# Altium PCB PCB_CAR.PcbDoc (part 2 of 3) (continued)
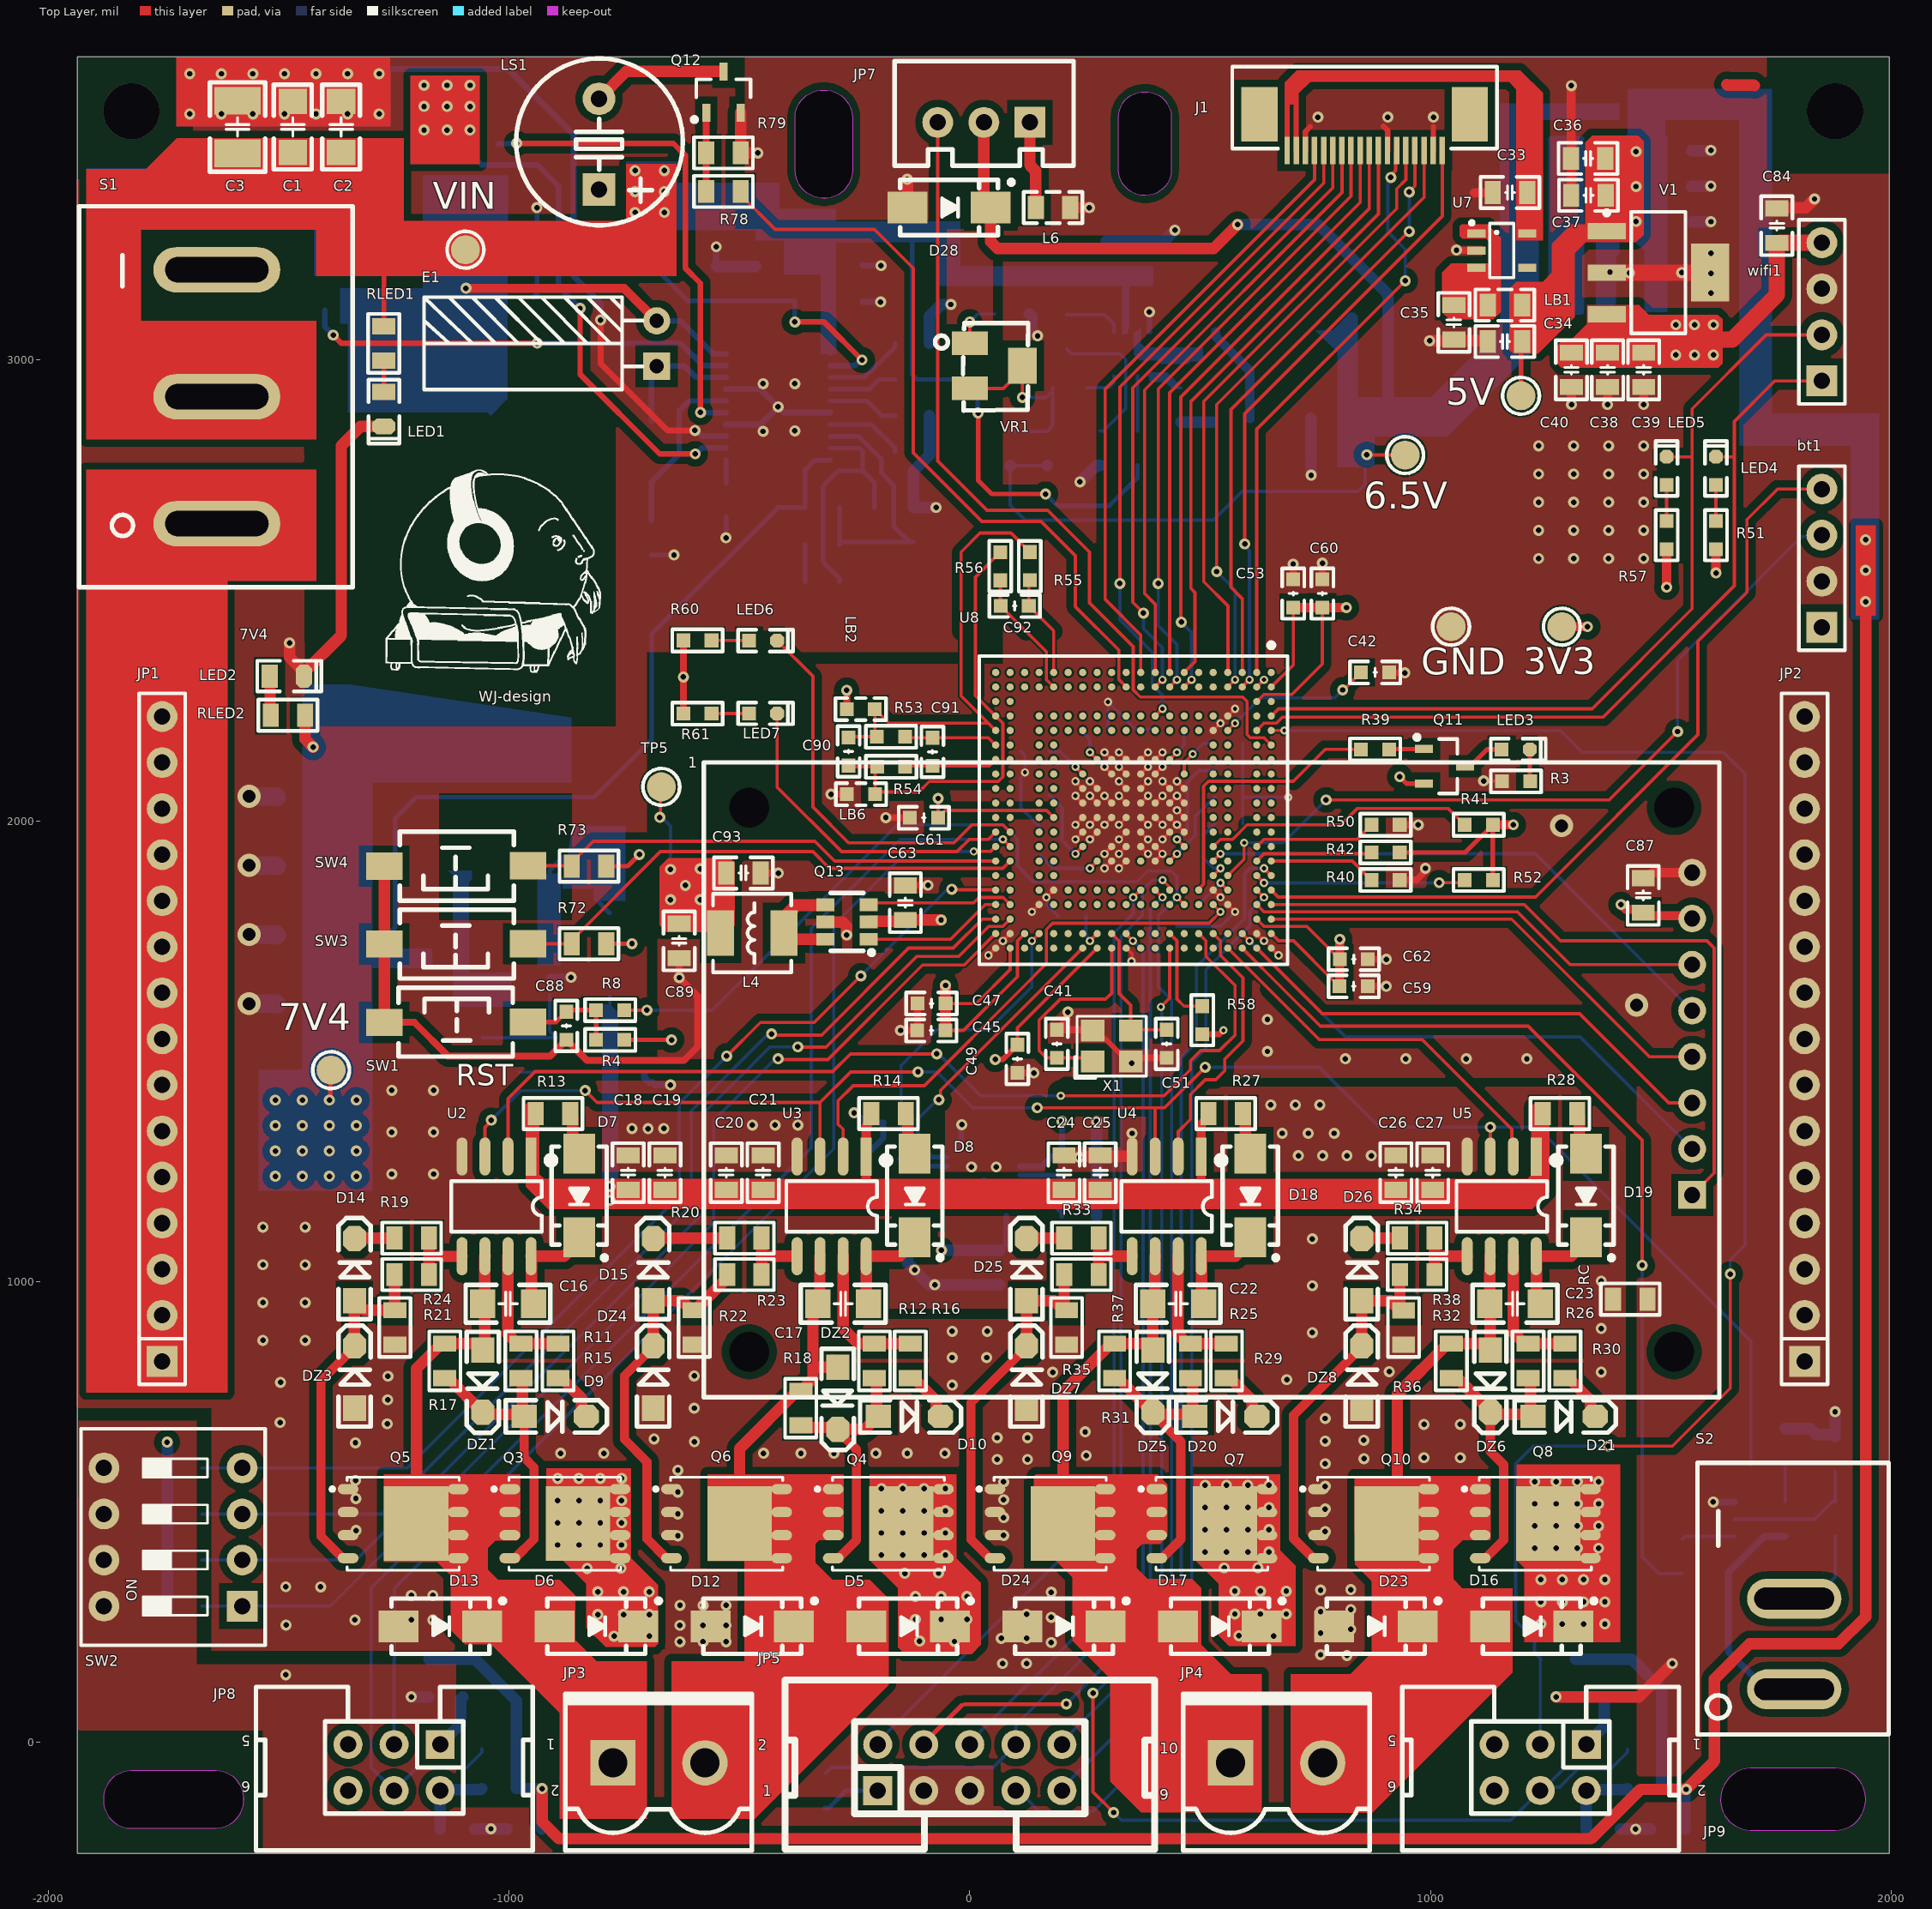
[diagram p0: Top Layer view]
## Nets (pads, with @x,y where several pads share a name; then routed paths per layer and width w, separated by ;. In a path a pad name is that pad's centre, name@x,y a point inside that pad or via, vN(x,y) a via of type N, cw(c..) or ccw(c..) an arc to the next point about the centre after c; other vN are vias at no path point) (continued)
NetC23_2: C23.2 D19.2 U5.8 | length 474.1
  Top Layer w25: U5.8@1229.97,1054.56 U5.8@1230.66,1053.87 ; U5.8@1229.97,1054.56 D19.2@1305.69,1054.56 ; U5.8@1229.97,1054.56 D19.2@1305.69,1054.56 ; U5.8@1229.97,1054.56 U5.8@1230.66,1053.87 ; C23.2@1230.66,959.54 C23.2@1238.77,951.42 C23.2@1230.66,959.54 ; C23.2@1230.66,959.54 U5.8@1230.66,1053.87 ; C23.2@1230.66,959.54 U5.8@1230.66,1053.87 ; D19.2@1305.69,1054.56 D19.2@1338,1086.87 ; D19.2@1305.69,1054.56 D19.2@1338,1086.87 ; D19.2@1338,1086.87 D19.2@1338,1095.73 D19.2@1338,1086.87
NetC30_2: C30.2 IC1.3 R43.2 R44.1 | length 259.7
  Bottom Layer w7: R44.1@-1057.44,1529.04 R43.2@-977.39,1529.03 C30.2@-898.33,1529.03 ; IC1.3@-912.33,1622.8 -912.33,1543.03 C30.2@-898.33,1529.03 ; C30.2@-897.33,1529.03 C30.2@-898.33,1529.03
NetC32_1: C32.1 IC1.4 IC1.5 L2.2 L3.2 | length 197.8
  Bottom Layer w10: L3.2@-1105.08,1696.98 -1105.04,1696.94 C32.1@-1105.04,1620.2 -1102.44,1622.8 IC1.4@-1022.56,1622.8 IC1.5@-1022.56,1660.2
NetC41_1: C41.1 U8.M20 X1.1 | length 471.3
  Top Layer w7: X1.1@266.67,1477.41 259,1485.08 C41.1@189,1485.08 166.68,1485.08 150.53,1501.23 150.53,1566.99 196.35,1612.81 294.88,1612.81 308.01,1625.94 U8.M20@308.01,1723.54
NetC51_1: C51.1 U8.M19 X1.3 | length 306.8
  Top Layer w7: U8.M19@308.01,1755.04 324.21,1738.84 324.21,1729.99 324.13,1729.91 324.13,1721.1 324.21,1721.02 324.21,1625.04 349.35,1599.91 X1.3@349.35,1544.34 351.27,1546.26 C51.1@427.42,1546.26
NetC64_2: C64.2 R71.2 RF1.1 VR1.2 VR1.3 | length 745.8
  Top Layer w7: 72.75,2938.54 VR1.3@-0.09,2938.54 72.75,2938.54 ; 72.75,2938.54 VR1.2@114.08,2979.87 ; 72.75,2938.54 VR1.2@114.08,2979.87 ; VR1.2@114.08,2979.87 VR1.2@114.08,2987.75 ; VR1.2@114.08,2979.87 VR1.2@114.08,2987.75 ; VR1.2@114.08,2987.75 VR1.2@114.13,2987.7 ; VR1.2@114.08,2987.75 VR1.2@114.13,2987.7 ; VR1.2@114.13,2987.7 v1(114.13,2919.04) VR1.2@114.13,2987.7
  Bottom Layer w7: C64.2@87.52,2845.4 167.37,2845.4 RF1.1@168.38,2846.4 179.65,2857.67 R71.2@179.65,2933.04 ; R71.2@165.65,2919.04 R71.2@179.65,2933.04 ; R71.2@165.65,2919.04 v1(114.13,2919.04) R71.2@165.65,2919.04 ; R71.2@165.65,2919.04 R71.2@179.65,2933.04 ; R71.2@179.65,2933.04 R71.2@179.65,2940.42 R71.2@179.65,2933.04
NetC65_1: C65.1 R70.2 U10.7 | length 492.2
  Bottom Layer w7: C65.1@282.66,2846.4 290.16,2846.4 338.38,2894.62 U10.7@338.38,2966.01 ; R70.2@220.61,3013.89 325.84,3013.89 ; R70.2@220.61,3013.89 R70.2@210.52,3023.97 R70.2@220.61,3013.89 ; R70.2@220.61,3013.89 325.84,3013.89 ; 325.84,3013.89 338.38,3001.35 ; 325.84,3013.89 338.38,3001.35 ; U10.7@338.38,2966.01 338.38,3001.35 ; U10.7@338.38,2966.01 338.38,3001.35
NetC68_1: C68.1 R75.2 | length 156.1
  Bottom Layer w7: C68.1@525.98,2865.31 C68.1@533.38,2872.71 C68.1@525.98,2865.31
  Bottom Layer w25: R75.2@458.38,2865.31 525.98,2865.31 R75.2@458.38,2865.31
NetC68_2: C68.2 L5.2 U10.3 | length 439.3
  Bottom Layer w20: L5.2@533.38,3051.53 L5.2@533.38,3061.37 L5.2@533.38,3051.53 ; L5.2@533.38,3051.53 608.18,2976.73 ; L5.2@533.38,3051.53 608.18,2976.73 ; 608.18,2976.73 C68.2@608.18,2872.71 608.18,2976.73
NetC71_1: C71.1 U11.20 | length 87.7
  Bottom Layer w10: C71.1@-135,1187.4 -131.24,1191.16 U11.20@-48.84,1191.16
NetC74_2: C74.2 U11.10 | length 124.7
  Bottom Layer w10: U11.10@108.65,1210.85 108.84,1210.65 137.91,1210.65 200,1148.56 C74.2@200,1141.06
NetC76_2: C76.2 JP8.2 LB3.1 | length 352.7
  Bottom Layer w25: JP8.2@-1150,-105.45 JP8.2@-1147.77,-103.22 ; JP8.2@-1150,-105.45 JP8.2@-1149.93,-105.52 ; JP8.2@-1150,-105.45 JP8.2@-1149.93,-105.52 ; JP8.2@-1150,-105.45 JP8.2@-1147.77,-103.22 ; C76.2@-1149.93,-189.23 C76.2@-1149.86,-189.3 C76.2@-1149.93,-189.23 ; C76.2@-1149.93,-189.23 JP8.2@-1149.93,-105.52 ; C76.2@-1149.93,-189.23 JP8.2@-1149.93,-105.52 ; JP8.2@-1147.77,-103.22 LB3.1@-1061.63,-103.22 ; JP8.2@-1147.77,-103.22 LB3.1@-1061.63,-103.22 ; LB3.1@-1061.63,-103.22 LB3.1@-1059.4,-101 LB3.1@-1061.63,-103.22
NetC79_2: C79.2 C80.2 LB4.2 V2.1 | length 294
  Bottom Layer w7: V2.1@1290,3175.08 1300,3185.08 LB4.2@1300,3464.91
NetC85_2: C85.2 JP9.2 LB5.1 | length 349.8
  Bottom Layer w25: C85.2@1338.36,-189.08 JP9.2@1338.36,-105.67 ; C85.2@1338.36,-189.08 C85.2@1338.14,-189.3 C85.2@1338.36,-189.08 ; C85.2@1338.36,-189.08 JP9.2@1338.36,-105.67 ; JP9.2@1338.36,-105.67 JP9.2@1338.58,-105.45 ; JP9.2@1338.36,-105.67 JP9.2@1338.58,-105.45 ; JP9.2@1338.58,-105.45 JP9.2@1340.81,-103.22 ; JP9.2@1338.58,-105.45 JP9.2@1340.81,-103.22 ; JP9.2@1340.81,-103.22 LB5.1@1425.37,-103.22 ; JP9.2@1340.81,-103.22 LB5.1@1425.37,-103.22 ; LB5.1@1425.37,-103.22 LB5.1@1427.6,-101 LB5.1@1425.37,-103.22
NetC88_2: C88.2 R4.1 R8.1 SW1.2 | length 222.7
  Top Layer w10: SW1.2@-959,1563 -898.48,1563 C88.2@-876.15,1585.33 -872.69,1588.79 R8.1@-811.47,1588.79 R4.1@-811.47,1524.31
NetCIN1_2: CIN1.2 D1.1 R2.1 R5.2 U1.2 | length 1199.9
  Top Layer w12: -316.51,3082.93 v1(-234,3000.43) -316.51,3082.93 ; -316.51,3082.93 v1(-380.04,3082.93) -316.51,3082.93
  Bottom Layer w10: v1@-380.03,3085.5 R2.1@-380.03,3128.88 ; D1.1@-670.03,3186.68 -612.24,3128.89 ; D1.1@-670.03,3186.68 D1.1@-670.03,3195.54 D1.1@-670.03,3186.68 ; D1.1@-670.03,3186.68 -612.24,3128.89 ; -612.24,3128.89 CIN1.2@-550.03,3128.89 ; -612.24,3128.89 CIN1.2@-550.03,3128.89 ; CIN1.2@-550.03,3128.89 R2.1@-380.03,3128.88 ; CIN1.2@-550.03,3128.89 R2.1@-380.03,3128.88
  Bottom Layer w12: -248.7,2988.3 U1.2@-303.19,2988.3 -248.7,2988.3 ; -248.7,2988.3 -234,3003 -248.7,2988.3
NetD3_2: D3.2 E1.1 U1.18 | length 568.5
  Bottom Layer w12: E1.1@-691.15,2975.96 D3.2@-691.15,2868.12 E1.1@-691.15,2975.96 ; E1.1@-691.15,2975.96 E1.1@-680.03,2987.08 ; E1.1@-691.15,2975.96 E1.1@-680.03,2987.08 ; E1.1@-680.03,2987.08 -619.17,2987.08 ; E1.1@-680.03,2987.08 -619.17,2987.08 ; -619.17,2987.08 -594.8,2962.71 ; -619.17,2987.08 -594.8,2962.71 ; -594.8,2962.71 U1.18@-529.43,2962.71 -594.8,2962.71
NetD7_1: D7.1 R13.2 | length 95.6
  Top Layer w25: R13.2@-867.6,1364.5 -862.6,1359.5 -862.6,1291.05 D7.1@-848.38,1276.83
NetD8_1: D8.1 R14.2 | length 95.8
  Top Layer w25: R14.2@-139.15,1364.5 -134.15,1359.5 -134.15,1291.39 D8.1@-119.59,1276.83
NetD9_1: D9.1 DZ1.2 Q3.4 R11.2 R17.2 | length 1266.8
  Top Layer w20: Q3.4@-987.54,399 -946,440.54 ; Q3.4@-987.54,399 Q3.4@-998.83,399 Q3.4@-987.54,399 ; Q3.4@-987.54,399 -946,440.54 ; -967.7,617.72 D9.1@-967.7,706.73 -967.7,617.72 ; -967.7,617.72 -946,596.02 ; -967.7,617.72 -946,596.02 ; -946,440.54 -946,596.02 ; -946,440.54 -946,596.02
  Top Layer w25: R17.2@-1132.53,790.12 DZ1.2@-1057.93,715.52 ; R17.2@-1132.53,790.12 R17.2@-1140.03,790.12 R17.2@-1132.53,790.12 ; R17.2@-1132.53,790.12 DZ1.2@-1057.93,715.52 ; DZ1.2@-1057.93,715.52 DZ1.2@-1057.5,715.52 ; DZ1.2@-1057.93,715.52 DZ1.2@-1057.5,715.52 ; DZ1.2@-1057.5,715.52 DZ1.2@-1053.11,711.13 ; DZ1.2@-1057.5,715.52 DZ1.2@-1053.11,711.13 ; DZ1.2@-1053.11,711.13 D9.1@-972.09,711.13 ; DZ1.2@-1053.11,711.13 D9.1@-972.09,711.13 ; D9.1@-972.09,711.13 D9.1@-971.24,710.27 ; D9.1@-972.09,711.13 D9.1@-971.24,710.27 ; D9.1@-971.24,710.27 R11.2@-971.24,786.58 ; D9.1@-971.24,710.27 D9.1@-967.7,706.73 D9.1@-971.24,710.27 ; D9.1@-971.24,710.27 R11.2@-971.24,786.58 ; R11.2@-971.24,786.58 R11.2@-974.78,790.12 R11.2@-971.24,786.58
NetD9_2: D9.2 R15.2 | length 226.5
  Top Layer w25: R15.2@-886.67,790.12 R15.2@-894.17,790.12 R15.2@-886.67,790.12 ; R15.2@-886.67,790.12 -842.52,745.98 ; R15.2@-886.67,790.12 -842.52,745.98 ; D9.2@-842.52,716.56 D9.2@-832.7,706.73 D9.2@-842.52,716.56 ; D9.2@-842.52,716.56 -842.52,745.98 ; D9.2@-842.52,716.56 -842.52,745.98
NetD10_1: D10.1 DZ2.2 Q4.4 R12.2 R18.2 | length 1191.8
  Top Layer w20: DZ2.2@-286.92,675.92 DZ2.2@-286.92,678.42 DZ2.2@-286.92,675.92 ; DZ2.2@-286.92,675.92 -245.92,634.92 ; DZ2.2@-286.92,675.92 -245.92,634.92 ; Q4.4@-285.19,399 -245.92,438.27 ; Q4.4@-285.19,399 Q4.4@-296.48,399 Q4.4@-285.19,399 ; Q4.4@-285.19,399 -245.92,438.27 ; -245.92,438.27 -245.92,634.92 ; -245.92,438.27 -245.92,634.92
  Top Layer w25: R18.2@-362.57,682.89 R18.2@-367.04,687.36 R18.2@-362.57,682.89 ; R18.2@-362.57,682.89 DZ2.2@-291.39,682.89 ; R18.2@-362.57,682.89 DZ2.2@-291.39,682.89 ; DZ2.2@-291.39,682.89 DZ2.2@-286.92,678.42 ; DZ2.2@-291.39,682.89 DZ2.2@-286.92,678.42 ; DZ2.2@-286.92,678.42 -227.94,678.42 ; DZ2.2@-286.92,678.42 -227.94,678.42 ; -227.94,678.42 D10.1@-213.3,693.06 ; -227.94,678.42 D10.1@-213.3,693.06 ; D10.1@-213.3,693.06 D10.1@-213.3,694.23 ; D10.1@-213.3,693.06 D10.1@-213.3,694.23 ; D10.1@-213.3,694.23 D10.1@-200.8,706.73 ; D10.1@-213.3,694.23 D10.1@-200.8,706.73 ; D10.1@-202.76,711.19 R12.2@-202.76,785.67 ; D10.1@-202.76,711.19 D10.1@-198.3,706.73 ; D10.1@-202.76,711.19 D10.1@-198.3,706.73 ; D10.1@-202.76,711.19 R12.2@-202.76,785.67 ; R12.2@-202.76,785.67 R12.2@-207.21,790.12 R12.2@-202.76,785.67 ; D10.1@-200.8,706.73 D10.1@-198.3,706.73 ; D10.1@-200.8,706.73 D10.1@-198.3,706.73
NetD10_2: D10.2 R16.2 | length 230.5
  Top Layer w25: R16.2@-122.07,790.12 R16.2@-129.57,790.12 R16.2@-122.07,790.12 ; R16.2@-122.07,790.12 -73.12,741.18 ; R16.2@-122.07,790.12 -73.12,741.18 ; D10.2@-73.12,716.56 D10.2@-63.3,706.73 D10.2@-73.12,716.56 ; D10.2@-73.12,716.56 -73.12,741.18 ; D10.2@-73.12,716.56 -73.12,741.18
NetD14_1: D14.1 DZ3.2 Q5.4 R21.2 R24.2 | length 1585.7
  Top Layer w20: -1409,446.71 -1409,784.28 ; -1409,446.71 Q5.4@-1361.29,399 ; -1409,446.71 Q5.4@-1361.29,399 ; -1409,446.71 -1409,784.28 ; -1409,784.28 DZ3.2@-1336.03,857.25 ; -1409,784.28 DZ3.2@-1336.03,857.25 ; Q5.4@-1361.29,399 Q5.4@-1350,399 Q5.4@-1361.29,399 ; DZ3.2@-1336.03,857.25 DZ3.2@-1336.03,859.75 DZ3.2@-1336.03,857.25
  Top Layer w25: D14.1@-1336.03,955.52 D14.1@-1323.53,943.02 ; D14.1@-1336.03,955.52 DZ3.2@-1336.03,859.75 D14.1@-1336.03,955.52 ; D14.1@-1336.03,955.52 D14.1@-1336.03,958.02 D14.1@-1336.03,955.52 ; D14.1@-1336.03,955.52 D14.1@-1323.53,943.02 ; D14.1@-1323.53,943.02 D14.1@-1321.03,943.02 ; D14.1@-1323.53,943.02 D14.1@-1321.03,943.02 ; D14.1@-1321.03,943.02 D14.1@-1315.41,937.4 ; D14.1@-1321.03,943.02 D14.1@-1315.41,937.4 ; D14.1@-1315.41,937.4 R21.2@-1248.44,937.4 ; D14.1@-1315.41,937.4 R21.2@-1248.44,937.4 ; R21.2@-1248.79,937.75 R24.2@-1248.79,1014.23 ; R21.2@-1248.79,937.75 R21.2@-1248.44,937.4 ; R21.2@-1248.79,937.75 R21.2@-1248.44,937.4 ; R21.2@-1248.79,937.75 R24.2@-1248.79,1014.23 ; R24.2@-1248.79,1014.23 R24.2@-1249.14,1014.58 R24.2@-1248.79,1014.23
NetD14_2: D14.2 R19.2 | length 174.6
  Top Layer w25: D14.2@-1335.54,1093.52 R19.2@-1249.63,1093.52 ; D14.2@-1335.54,1093.52 D14.2@-1336.03,1093.02 D14.2@-1335.54,1093.52 ; D14.2@-1335.54,1093.52 R19.2@-1249.63,1093.52 ; R19.2@-1249.63,1093.52 R19.2@-1249.14,1094.01 R19.2@-1249.63,1093.52
NetD15_1: D15.1 DZ4.2 Q6.4 R22.2 R23.2 | length 1687
  Top Layer w20: -750,657 -750,794.8 ; -750,657 -701,608 ; -750,657 -701,608 ; -750,657 -750,794.8 ; -750,794.8 DZ4.2@-687.54,857.25 ; -750,794.8 DZ4.2@-687.54,857.25 ; -701,441.06 -701,608 ; -701,441.06 Q6.4@-658.94,399 ; -701,441.06 Q6.4@-658.94,399 ; -701,441.06 -701,608 ; DZ4.2@-687.54,857.25 DZ4.2@-687.54,859.75 DZ4.2@-687.54,857.25 ; Q6.4@-658.94,399 Q6.4@-647.66,399 Q6.4@-658.94,399
  Top Layer w25: D15.1@-687.54,958.02 -625.5,958.02 ; D15.1@-687.54,958.02 DZ4.2@-687.54,859.75 D15.1@-687.54,958.02 ; D15.1@-687.54,958.02 -625.5,958.02 ; -625.5,958.02 R22.2@-610.85,943.38 ; -625.5,958.02 R22.2@-610.85,943.38 ; R22.2@-610.85,942.33 R22.2@-605.85,937.33 ; R22.2@-610.85,942.33 R22.2@-610.85,943.38 ; R22.2@-610.85,942.33 R22.2@-610.85,943.38 ; R22.2@-610.85,942.33 R22.2@-605.85,937.33 ; R22.2@-605.85,937.33 R22.2@-598.35,937.33 ; R22.2@-605.85,937.33 R22.2@-598.35,937.33 ; R22.2@-598.35,937.33 R22.2@-590.85,937.33 ; R22.2@-598.35,937.33 R22.2@-590.85,937.33 ; R22.2@-590.85,937.33 R22.2@-585.85,942.33 ; R22.2@-590.85,937.33 R22.2@-585.85,942.33 ; R22.2@-585.85,942.33 R22.2@-585.85,948.15 ; R22.2@-585.85,942.33 R22.2@-585.85,948.15 ; R22.2@-585.85,948.15 R23.2@-526.92,1007.08 ; R22.2@-585.85,948.15 R23.2@-526.92,1007.08 ; R23.2@-526.92,1007.08 R23.2@-526.92,1014.58 R23.2@-526.92,1007.08
NetD15_2: D15.2 R20.2 | length 322.1
  Top Layer w25: D15.2@-687.05,1093.52 R20.2@-527.41,1093.52 ; D15.2@-687.05,1093.52 D15.2@-687.54,1093.02 D15.2@-687.05,1093.52 ; D15.2@-687.05,1093.52 R20.2@-527.41,1093.52 ; R20.2@-527.41,1093.52 R20.2@-526.92,1094.01 R20.2@-527.41,1093.52
NetD18_1: D18.1 R27.2 | length 94.3
  Top Layer w25: R27.2@593.13,1364.5 598.13,1359.5 598.13,1287.91 D18.1@609.21,1276.83
NetD19_1: D19.1 R28.2 | length 95.6
  Top Layer w25: R28.2@1318.76,1364.5 1323.76,1359.5 1323.76,1291.08 D19.1@1338,1276.83
NetD20_1: D20.1 DZ5.2 Q7.4 R25.2 R31.2 | length 1318.6
  Top Layer w20: DZ5.2@397.32,713.02 DZ5.2@397.32,715.52 DZ5.2@397.32,713.02 ; DZ5.2@397.32,713.02 458.21,652.14 ; DZ5.2@397.32,713.02 458.21,652.14 ; Q7.4@417.15,399 Q7.4@405.86,399 Q7.4@417.15,399 ; Q7.4@417.15,399 458.21,440.05 ; Q7.4@417.15,399 458.21,440.05 ; 458.21,440.05 458.21,652.14 ; 458.21,440.05 458.21,652.14
  Top Layer w25: R31.2@321.88,790.12 R31.2@314.38,790.12 R31.2@321.88,790.12 ; R31.2@321.88,790.12 DZ5.2@396.48,715.52 ; R31.2@321.88,790.12 DZ5.2@396.48,715.52 ; DZ5.2@396.48,715.52 DZ5.2@397.32,715.52 ; DZ5.2@396.48,715.52 DZ5.2@397.32,715.52 ; DZ5.2@397.32,715.52 DZ5.2@401.71,711.13 ; DZ5.2@397.32,715.52 DZ5.2@401.71,711.13 ; DZ5.2@401.71,711.13 D20.1@483.73,711.13 ; DZ5.2@401.71,711.13 D20.1@483.73,711.13 ; D20.1@483.52,711.33 R25.2@483.52,785.52 ; D20.1@483.52,711.33 D20.1@483.73,711.13 ; D20.1@483.52,711.33 D20.1@483.73,711.13 ; D20.1@483.52,711.33 R25.2@483.52,785.52 ; R25.2@483.52,785.52 R25.2@478.93,790.12 R25.2@483.52,785.52 ; D20.1@483.73,711.13 D20.1@488.12,706.73 D20.1@483.73,711.13
NetD20_2: D20.2 R29.2 | length 230.3
  Top Layer w25: R29.2@564.6,790.12 R29.2@557.1,790.12 R29.2@564.6,790.12 ; R29.2@564.6,790.12 613.3,741.42 ; R29.2@564.6,790.12 613.3,741.42 ; D20.2@613.3,716.56 D20.2@623.12,706.73 D20.2@613.3,716.56 ; D20.2@613.3,716.56 613.3,741.42 ; D20.2@613.3,716.56 613.3,741.42
NetD21_1: D21.1 DZ6.2 Q8.4 R26.2 R32.2 | length 1302.6
  Top Layer w20: Q8.4@1119.5,399 Q8.4@1108.21,399 Q8.4@1119.5,399 ; Q8.4@1119.5,399 1159,438.5 ; Q8.4@1119.5,399 1159,438.5 ; 1130.42,630.58 1159,602 ; 1130.42,630.58 DZ6.2@1130.42,715.52 1130.42,630.58 ; 1130.42,630.58 1159,602 ; 1159,438.5 1159,602 ; 1159,438.5 1159,602
  Top Layer w25: R32.2@1050.32,785.12 R32.2@1045.32,790.12 R32.2@1050.32,785.12 ; R32.2@1050.32,785.12 R32.2@1063.32,785.12 ; R32.2@1050.32,785.12 R32.2@1063.32,785.12 ; R32.2@1063.32,785.12 DZ6.2@1130.42,718.02 ; R32.2@1063.32,785.12 DZ6.2@1130.42,718.02 ; DZ6.2@1130.42,715.52 DZ6.2@1134.81,711.13 ; DZ6.2@1130.42,715.52 DZ6.2@1130.42,718.02 ; DZ6.2@1130.42,715.52 DZ6.2@1130.42,718.02 ; DZ6.2@1130.42,715.52 DZ6.2@1134.81,711.13 ; DZ6.2@1134.81,711.13 D21.1@1218.35,711.13 ; DZ6.2@1134.81,711.13 D21.1@1218.35,711.13 ; R26.2@1212.36,790.12 R26.2@1217.36,785.12 ; R26.2@1212.36,790.12 R26.2@1211.97,790.12 R26.2@1212.36,790.12 ; R26.2@1212.36,790.12 R26.2@1217.36,785.12 ; D21.1@1217.36,712.12 R26.2@1217.36,785.12 ; D21.1@1217.36,712.12 D21.1@1218.35,711.13 ; D21.1@1217.36,712.12 D21.1@1218.35,711.13 ; D21.1@1217.36,712.12 R26.2@1217.36,785.12 ; D21.1@1218.35,711.13 D21.1@1222.74,706.73 D21.1@1218.35,711.13
NetD21_2: D21.2 R30.2 | length 229.8
  Top Layer w25: R30.2@1299.8,790.12 R30.2@1292.3,790.12 R30.2@1299.8,790.12 ; R30.2@1299.8,790.12 1347.92,742.01 ; R30.2@1299.8,790.12 1347.92,742.01 ; D21.2@1347.92,716.56 1347.92,742.01 ; D21.2@1347.92,716.56 D21.2@1357.74,706.73 D21.2@1347.92,716.56 ; D21.2@1347.92,716.56 1347.92,742.01
NetD25_1: D25.1 DZ7.2 Q9.4 R35.2 R37.2 | length 1624.7
  Top Layer w20: 2.55,439.85 2.55,736.59 ; 2.55,439.85 Q9.4@43.4,399 ; 2.55,439.85 Q9.4@43.4,399 ; 2.55,439.85 2.55,736.59 ; 2.55,736.59 DZ7.2@123.21,857.25 ; 2.55,736.59 DZ7.2@123.21,857.25 ; Q9.4@43.4,399 Q9.4@54.69,399 Q9.4@43.4,399 ; DZ7.2@123.21,857.25 DZ7.2@123.21,859.75 DZ7.2@123.21,857.25
  Top Layer w25: D25.1@123.21,958.02 182.86,958.02 ; D25.1@123.21,958.02 DZ7.2@123.21,859.75 D25.1@123.21,958.02 ; D25.1@123.21,958.02 182.86,958.02 ; 182.86,958.02 R35.2@197.5,943.38 ; 182.86,958.02 R35.2@197.5,943.38 ; R35.2@197.5,942.4 R35.2@202.5,937.4 ; R35.2@197.5,942.4 R35.2@197.5,943.38 ; R35.2@197.5,942.4 R35.2@197.5,943.38 ; R35.2@197.5,942.4 R35.2@202.5,937.4 ; R35.2@202.5,937.4 R35.2@209.9,937.4 ; R35.2@202.5,937.4 R35.2@209.9,937.4 ; R35.2@204.9,942.4 R35.2@209.9,937.4 ; R35.2@204.9,942.4 R37.2@204.9,1014.58 R35.2@204.9,942.4 ; R35.2@204.9,942.4 R35.2@209.9,937.4 ; R35.2@209.9,937.4 R35.2@210,937.4 R35.2@209.9,937.4
NetD25_2: D25.2 R33.2 | length 164.2
  Top Layer w25: D25.2@123.7,1093.52 R33.2@204.4,1093.52 ; D25.2@123.7,1093.52 D25.2@123.21,1093.02 D25.2@123.7,1093.52 ; D25.2@123.7,1093.52 R33.2@204.4,1093.52 ; R33.2@204.4,1093.52 R33.2@204.9,1094.01 R33.2@204.4,1093.52
NetD26_1: D26.1 DZ8.2 Q10.4 R36.2 R38.2 | length 1656.2
  Top Layer w20: 703,441.74 703,709.25 ; 703,441.74 Q10.4@745.74,399 ; 703,441.74 Q10.4@745.74,399 ; 703,441.74 703,709.25 ; 703,709.25 DZ8.2@851,857.25 ; 703,709.25 DZ8.2@851,857.25 ; Q10.4@745.74,399 Q10.4@757.03,399 Q10.4@745.74,399 ; DZ8.2@851,857.25 DZ8.2@851,859.75 DZ8.2@851,857.25
  Top Layer w25: D26.1@851,958.02 DZ8.2@851,859.75 D26.1@851,958.02 ; D26.1@851,958.02 913.5,958.02 ; D26.1@851,958.02 913.5,958.02 ; 913.5,958.02 R36.2@929.09,942.43 ; 913.5,958.02 R36.2@929.09,942.43 ; R36.2@929.09,942.21 R36.2@934.09,937.21 ; R36.2@929.09,942.21 R36.2@929.09,942.43 ; R36.2@929.09,942.21 R36.2@929.09,942.43 ; R36.2@929.09,942.21 R36.2@934.09,937.21 ; R36.2@933.85,942.21 R38.2@933.85,1014.58 R36.2@933.85,942.21 ; R36.2@933.85,942.21 R36.2@938.85,937.21 ; R36.2@933.85,942.21 R36.2@938.85,937.21 ; R36.2@934.09,937.21 R36.2@938.85,937.21 ; R36.2@934.09,937.21 R36.2@938.85,937.21 ; R36.2@938.85,937.21 R36.2@941.59,937.21 R36.2@938.85,937.21
NetD26_2: D26.2 R34.2 | length 166.5
  Top Layer w25: D26.2@851.49,1093.52 D26.2@851,1093.02 D26.2@851.49,1093.52 ; D26.2@851.49,1093.52 R34.2@933.36,1093.52 ; D26.2@851.49,1093.52 R34.2@933.36,1093.52 ; R34.2@933.36,1093.52 R34.2@933.85,1094.01 R34.2@933.36,1093.52
NetD27_1: D27.1 IC1.1 L2.1 | length 287.9
  Bottom Layer w10: IC1.1@-912.33,1697.6 -912.33,1891.75 L2.1@-882.44,1921.63 L2.1@-882.44,1911.79 ; D27.1@-811.89,1829.65 D27.1@-782.44,1800.2
NetJP7_1: JP7.1 L6.2 | length 190.3
  Top Layer w25: JP7.1@130.39,3516.29 130.39,3423.5 143.28,3410.62 L6.2@143.28,3331.3
NetJP8_1: JP8.1 L7.2 | length 247.8
  Bottom Layer w25: -1105.6,38.95 JP8.1@-1150,-5.45 -1105.6,38.95 ; -1105.6,38.95 L7.2@-1105.6,93 ; -1105.6,38.95 L7.2@-1105.6,93 ; L7.2@-1105.6,93 L7.2@-1100.6,98 L7.2@-1105.6,93
NetJP9_1: JP9.1 L8.2 | length 239.1
  Bottom Layer w25: 1377.4,33.37 L8.2@1377.4,98 1377.4,33.37 ; 1377.4,33.37 JP9.1@1338.58,-5.45 1377.4,33.37
NetL4_1: L4.1 Q13.4 Q13.6 | length 95.2
  Top Layer w25: L4.1@-403.55,1756.23 -390.16,1742.83 Q13.6@-313.88,1742.83
NetLED1_1: LED1.1 RLED1.1 | length 68
  Top Layer w10: LED1.1@-1272.28,2930.96 RLED1.1@-1272.29,2998.94
NetLED2_1: LED2.1 RLED2.1 | length 172
  Top Layer w25: RLED2.1@-1519.2,2230.2 RLED2.1@-1518,2229 RLED2.1@-1519.2,2230.2 ; RLED2.1@-1519.2,2230.2 LED2.1@-1519.2,2312.79 ; RLED2.1@-1519.2,2230.2 LED2.1@-1519.2,2312.79 ; LED2.1@-1519.2,2312.79 LED2.1@-1520.4,2314 LED2.1@-1519.2,2312.79
NetLED3_1: LED3.1 Q11.3 | length 94.6
  Top Layer w10: Q11.3@1075.23,2118.3 1086.06,2118.3 1122.76,2155 LED3.1@1154.62,2155
NetLED3_2: LED3.2 R3.2 | length 69.6
  Top Layer w10: LED3.2@1215.8,2155 1215.8,2086.33 R3.2@1216.49,2085.64
NetLED4_1: LED4.1 R51.1 | length 78.4
  Top Layer w7: R51.1@1620,2650.59 LED4.1@1620,2729
NetLED5_1: LED5.1 R57.1 | length 78.4
  Top Layer w7: R57.1@1513,2650.59 LED5.1@1513,2729
NetLED6_1: LED6.1 R60.1 | length 81.3
  Top Layer w7: R60.1@-560.74,2391.64 -479.97,2391.64 LED6.1@-479.59,2391.26
NetLED7_1: LED7.1 R61.1 | length 81.3
  Top Layer w7: R61.1@-560.74,2232.64 -560.36,2233.02 LED7.1@-479.59,2233.02
NetLS1_2: LS1.2 Q12.3 | length 578.1
  Top Layer w25: -745.77,3626.61 LS1.2@-805,3567.38 -745.77,3626.61 ; -745.77,3626.61 -540.49,3626.61 -745.77,3626.61
NetQ1_4: Q1.4 U1.19 | length 1883
  Top Layer w12: -1364.73,3036.96 v1(-939.35,3036.96) -1364.73,3036.96 ; -1364.73,3036.96 v1(-1382.25,3054.48) -1364.73,3036.96
  Bottom Layer w12: -1400.34,3072.57 Q1.4@-1400.34,3108.23 -1400.34,3072.57 ; -1400.34,3072.57 v1(-1382.25,3054.48) -1400.34,3072.57 ; -628.2,3036.96 -579.83,2988.59 ; -628.2,3036.96 v1(-939.35,3036.96) -628.2,3036.96 ; -628.2,3036.96 -579.83,2988.59 ; -579.83,2988.59 U1.19@-529.72,2988.59 ; -579.83,2988.59 U1.19@-529.72,2988.59 ; U1.19@-529.72,2988.59 U1.19@-529.43,2988.3 U1.19@-529.72,2988.59
NetQ2_1: Q2.1 Q2.2 Q2.3 R9.2 U1.12 | length 2117.9
  Top Layer w12: -846.11,2969.11 v1(-846.11,3112.59) -846.11,2969.11 ; -846.11,2969.11 -673.53,2796.53 ; -846.11,2969.11 -673.53,2796.53 ; -673.53,2796.53 v1(-596.27,2796.53) -673.53,2796.53
  Bottom Layer w12: -1074.72,3438.79 -1059.93,3424 ; -1074.72,3438.79 Q2.3@-1074.72,3469.35 -1074.72,3438.79 ; -1074.72,3438.79 -1059.93,3424 ; -1059.93,3424 -939.35,3424 ; -1059.93,3424 -939.35,3424 ; -939.35,3424 -893,3377.65 ; -939.35,3424 -893,3377.65 ; -893,3159.49 v1(-846.11,3112.59) -893,3159.49 ; -893,3159.49 -893,3377.65 ; -893,3159.49 -893,3377.65 ; v1@-594.45,2796.53 -581.81,2809.17 ; v1@-594.45,2796.53 v1(-596.27,2796.53) v1@-594.45,2796.53 ; v1@-594.45,2796.53 -581.81,2809.17 ; -581.81,2809.17 U1.12@-529.43,2809.17 -581.81,2809.17
  other v1: -1185,3499.58 -1134.98,3499.58 -1085.35,3499.58 -1185,3550.73 -1134.98,3550.73 -1085.35,3550.73 -1185,3596.71 -1134.98,3596.71 -1085.35,3596.71
NetQ2_4: Q2.4 U1.15 | length 2091.6
  Top Layer w12: -643.63,3470.71 v1(-984.29,3470.71) -643.63,3470.71 ; -643.63,3470.71 -618,3445.08 ; -643.63,3470.71 -618,3445.08 ; -618,3200.11 -584.79,3166.9 ; -618,3200.11 -618,3445.08 ; -618,3200.11 -584.79,3166.9 ; -618,3200.11 -618,3445.08 ; -584.79,3166.9 v1(-584.79,2886.53) -584.79,3166.9
  Bottom Layer w12: Q2.4@-1024.04,3470.03 v1@-984.97,3470.03 ; Q2.4@-1024.04,3470.03 Q2.4@-1024.72,3469.35 Q2.4@-1024.04,3470.03 ; Q2.4@-1024.04,3470.03 v1@-984.97,3470.03 ; v1@-984.97,3470.03 v1(-984.29,3470.71) v1@-984.97,3470.03 ; v1@-584.49,2886.23 v1(-584.79,2886.53) v1@-584.49,2886.23 ; v1@-584.49,2886.23 U1.15@-529.72,2886.23 ; v1@-584.49,2886.23 U1.15@-529.72,2886.23 ; U1.15@-529.72,2886.23 U1.15@-529.43,2885.94 U1.15@-529.72,2886.23
NetQ11_1: Q11.1 R39.1 | length 75.6
  Top Layer w10: R39.1@910.59,2155 911.29,2155.7 Q11.1@985.94,2155.7
NetQ12_1: Q12.1 R78.1 R79.1 | length 341.9
  Top Layer w15: R78.1@-572.4,3366.36 Q12.1@-572.4,3537.32 R78.1@-572.4,3366.36
NetQ13_1: Q13.1 U8.Y17 | length 306.6
  Top Layer w7: Q13.1@-219.38,1742.83 -41.81,1742.83 -32.7,1751.94 33.4,1818.03 U8.Y17@56.04,1818.03
NetQ13_3: Q13.3 U8.W17 | length 319.8
  Top Layer w7: Q13.3@-219.38,1817.62 -215,1822 -179,1822 -32.7,1822 8.69,1822 20.09,1833.41 72.16,1833.41 U8.W17@87.54,1818.03
NetR1_1: R1.1 U1.4 | length 298.8
  Bottom Layer w10: -218.4,2937.12 -197.56,2957.96 ; -218.4,2937.12 U1.4@-303.19,2937.12 -218.4,2937.12 ; -218.4,2937.12 -197.56,2957.96 ; -197.56,2957.96 R1.1@-162.43,2957.96 -197.56,2957.96
NetR6_2: R6.2 U1.3 | length 351.3
  Bottom Layer w10: -228.69,2962.71 U1.3@-303.19,2962.71 -228.69,2962.71 ; -228.69,2962.71 R6.2@-175.12,3016.29 ; -228.69,2962.71 R6.2@-175.12,3016.29 ; R6.2@-175.12,3016.29 R6.2@-174.93,3016.29 ; R6.2@-175.12,3016.29 R6.2@-174.93,3016.29 ; R6.2@-174.93,3016.29 R6.2@-162.43,3028.79 ; R6.2@-174.93,3016.29 R6.2@-162.43,3028.79 ; R6.2@-162.43,3028.79 R6.2@-162.43,3036.29 R6.2@-162.43,3028.79
NetR7_1: R7.1 U1.11 | length 99.8
  Bottom Layer w10: R7.1@-529.43,2733.69 U1.11@-529.43,2783.58 R7.1@-529.43,2733.69
NetR11_1: R11.1 R15.1 U2.7 | length 572.4
  Top Layer w25: -1002.67,885.32 R11.1@-982.28,864.93 ; -1002.67,885.32 U2.7@-1002.67,1054.56 -1002.67,885.32 ; -1002.67,885.32 R11.1@-982.28,864.93 ; R11.1@-982.28,864.93 R11.1@-974.78,864.93 ; R11.1@-982.28,864.93 R11.1@-974.78,864.93 ; R11.1@-974.78,864.93 R15.1@-894.17,864.93 R11.1@-974.78,864.93
NetR12_1: R12.1 R16.1 U3.7 | length 632.1
  Top Layer w25: -275.12,897.59 U3.7@-275.12,1054.56 -275.12,897.59 ; -275.12,897.59 -242.46,864.93 ; -275.12,897.59 -242.46,864.93 ; -242.46,864.93 R16.1@-129.57,864.93 -242.46,864.93
NetR19_1: R19.1 R24.1 U2.5 | length 302.4
  Top Layer w25: -1174.34,1054.3 U2.5@-1102.93,1054.3 ; -1174.34,1054.3 R24.1@-1174.34,1014.58 -1174.34,1054.3 ; -1174.34,1054.3 R19.1@-1174.34,1094.01 -1174.34,1054.3 ; -1174.34,1054.3 U2.5@-1102.93,1054.3 ; U2.5@-1102.93,1054.3 U2.5@-1102.67,1054.56 U2.5@-1102.93,1054.3
NetR20_1: R20.1 R23.1 U3.5 | length 313.1
  Top Layer w25: -452.11,1054.3 -451.85,1054.56 ; -452.11,1054.3 R23.1@-452.11,1014.58 -452.11,1054.3 ; -452.11,1054.3 R20.1@-452.11,1094.01 -452.11,1054.3 ; -452.11,1054.3 -451.85,1054.56 ; -451.85,1054.56 U3.5@-375.12,1054.56 -451.85,1054.56
NetR25_1: R25.1 R29.1 U4.7 | length 566.3
  Top Layer w25: 452.42,883.93 R25.1@471.43,864.93 ; 452.42,883.93 U4.7@452.42,1054.56 452.42,883.93 ; 452.42,883.93 R25.1@471.43,864.93 ; R25.1@471.43,864.93 R25.1@478.93,864.93 ; R25.1@471.43,864.93 R25.1@478.93,864.93 ; R25.1@478.93,864.93 R29.1@557.1,864.93 R25.1@478.93,864.93
NetR26_1: R26.1 R30.1 U5.7 | length 575.2
  Top Layer w25: 1179.97,889.42 U5.7@1179.97,1054.56 1179.97,889.42 ; 1179.97,889.42 R26.1@1204.47,864.93 ; 1179.97,889.42 R26.1@1204.47,864.93 ; R26.1@1204.47,864.93 R26.1@1211.97,864.93 ; R26.1@1204.47,864.93 R26.1@1211.97,864.93 ; R26.1@1211.97,864.93 R30.1@1292.3,864.93 R26.1@1211.97,864.93
NetR33_1: R33.1 R37.1 U4.5 | length 304.5
  Top Layer w25: 279.7,1054.3 279.96,1054.56 ; 279.7,1054.3 R37.1@279.7,1014.58 279.7,1054.3 ; 279.7,1054.3 R33.1@279.7,1094.01 279.7,1054.3 ; 279.7,1054.3 279.96,1054.56 ; 279.96,1054.56 U4.5@352.42,1054.56 279.96,1054.56
NetR34_1: R34.1 R38.1 U5.5 | length 301.7
  Top Layer w25: 1008.65,1054.3 1008.91,1054.56 ; 1008.65,1054.3 R38.1@1008.65,1014.58 1008.65,1054.3 ; 1008.65,1054.3 R34.1@1008.65,1094.01 1008.65,1054.3 ; 1008.65,1054.3 1008.91,1054.56 ; 1008.91,1054.56 U5.5@1079.97,1054.56 1008.91,1054.56
NetR39_2: R39.2 U8.F16 | length 604.9
  Top Layer w7: U8.F16@496.98,1849.53 496.98,1851.89 507.45,1862.36 507.45,2075.03 518.17,2085.75 702.3,2085.75 771.56,2155 R39.2@849.41,2155
NetR45_1: R45.1 U6.1 | length 115.3
  Bottom Layer w7: R45.1@1546.97,440.69 1552.57,446.29 U6.1@1659.97,446.29
NetR46_1: R46.1 U6.4 | length 79.3
  Bottom Layer w7: U6.4@1770.21,521.09 1770.37,521.26 R46.1@1770.37,600.29
NetR48_1: R48.1 R59.1 U6.2 | length 300.8
  Bottom Layer w7: U6.2@1659.97,483.69 1833.85,483.69 1871.25,521.1 R48.1@1878.75,521.1 R59.1@1878.75,587.6
NetR48_2: R48.2 S2.2 | length 196.6
  Bottom Layer w7: S2.2@1789.97,311.29 1832.39,311.29 1878.75,357.66 R48.2@1878.75,446.29